# Altium PCB Mirny.PcbDoc (part 7 of 8)
Units mm, origin at the board's own origin, x right, y up, seen from the top; angles counter-clockwise.
Board outline 161.99 x 100.04 mm, 6 copper layers (L1, P2, L3, L4, P5, L6), stack 1.56 mm thick; 832 components, 485 nets, 2438 pads, 1482 vias.
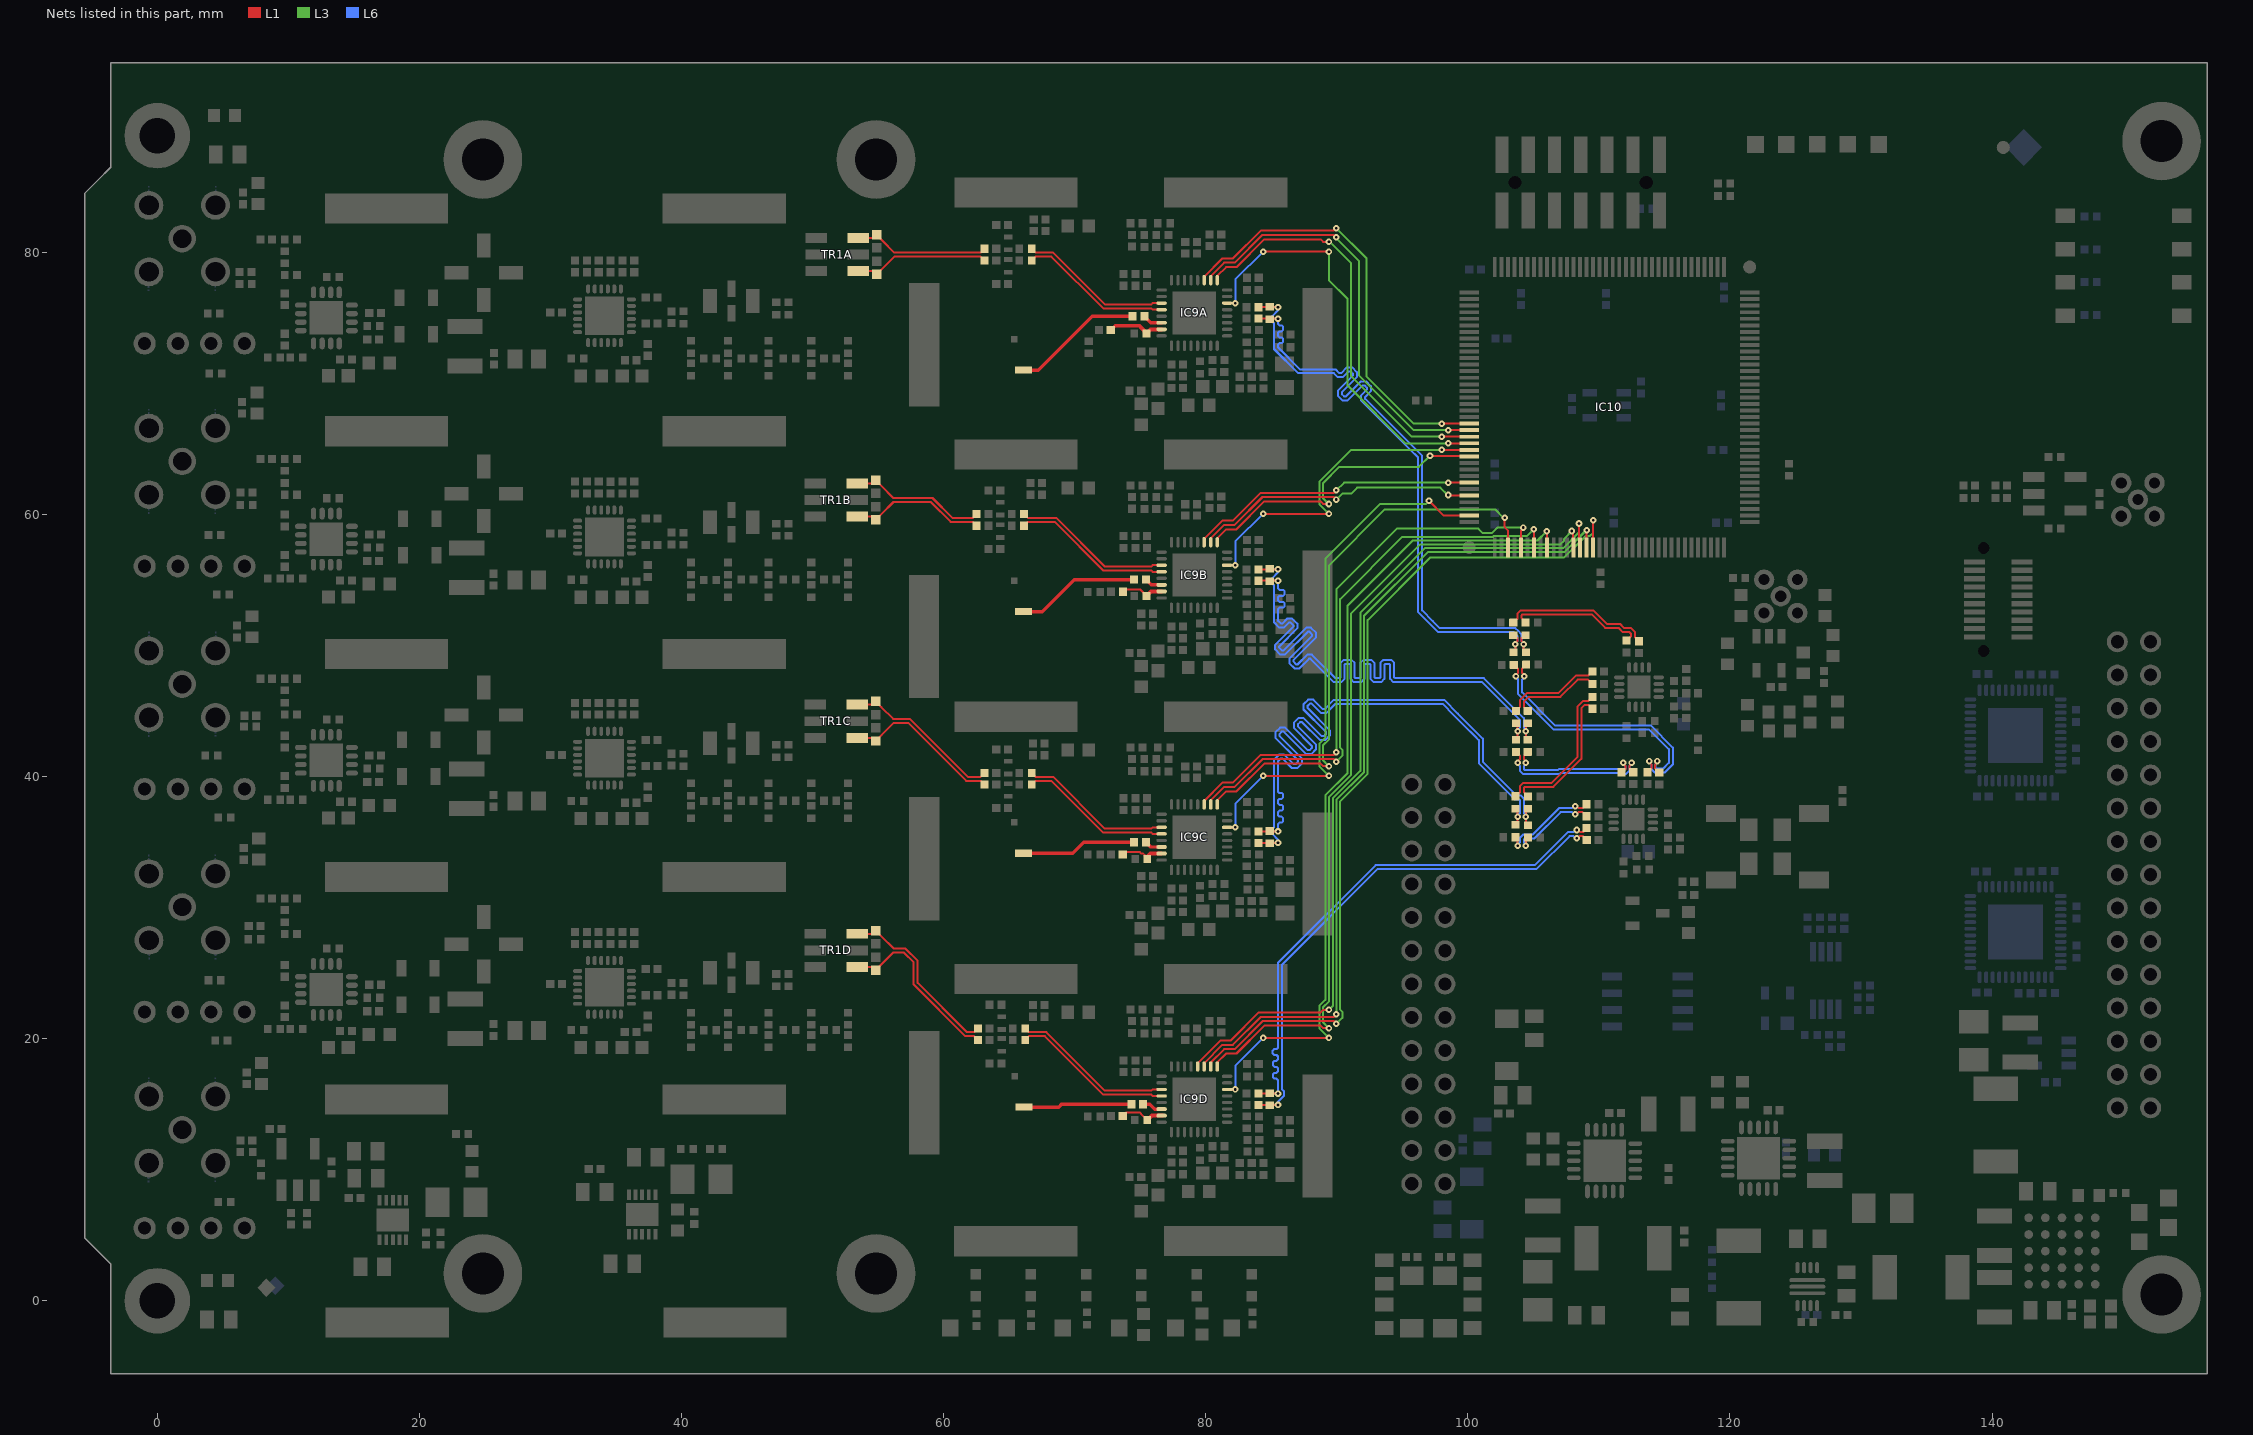
[diagram p11: the nets of this part, all layers, seen from the top]

## Via types
v1: diameter 0.5, hole 0.2, L1 to L6, tented both sides, 1370 vias
v2: diameter 0.6, hole 0.3, L1 to L6, tented both sides, 76 vias
v3: diameter 0.66, hole 0.33, L1 to L6, tented both sides, 36 vias

## Nets (pads, with @x,y where several pads share a name; then routed paths per layer and width w, separated by ;. In a path a pad name is that pad's centre, name@x,y a point inside that pad or via, vN(x,y) a via of type N, cw(c..) or ccw(c..) an arc to the next point about the centre after c; other vN are vias at no path point) (continued)
VCO_CE3: IC9D.4 IC10.50 | length 65
  L1 w0.152: IC9D.4@79.38,17.878 79.38,18.129 81.13,19.879 81.929,19.879 84.055,22.005 88.761,22.005 88.956,22.201 v1(89.401,22.201) ; v1(108.479,59.312) 108.479,57.558 IC10.50@108.554,57.484
  L3 w0.152: v1(89.401,22.201) 89.693,22.493 89.693,38.337 91.796,40.44 91.796,52.503 96.728,57.435 107.277,57.435 108.479,58.637 v1(108.479,59.312)
VCO_CLK0_N: C27A.1 R4A.2 R146.1 R168.2 | length 46.9
  L1 w0.152: C27A.1@84.019,74.944 v1(85.512,74.944) ; R146.1@104.407,50.797 104.193,50.583 104.095,50.583 104.088,50.576 104.088,50.353 104.249,50.192 v1(104.249,50.098) 104.249,49.675 R168.2@104.447,49.477
  L6 w0.152: v1(85.512,74.944) 85.512,74.651 85.512,74.537 85.625,74.424 85.799,74.424 85.912,74.311 85.912,74.085 85.799,73.972 85.625,73.972 85.512,73.859 85.512,73.633 85.625,73.52 85.799,73.52 85.912,73.406 85.912,73.18 85.799,73.067 85.625,73.067 85.512,72.954 85.512,72.873 85.512,72.756 87.186,71.082 89.9,71.082 90.195,70.786 90.337,70.786 90.776,71.226 91.17,71.226 91.527,70.869 91.527,70.475 90.381,69.328 90.381,69.187 90.559,69.008 90.701,69.008 91.847,70.155 92.241,70.155 92.598,69.798 92.598,69.404 92.159,68.965 92.159,68.823 96.508,64.474 96.508,52.679 97.333,51.854 97.854,51.333 103.619,51.333 103.835,51.117 104.088,50.864 104.088,50.353 104.249,50.192 v1(104.249,50.098)
VCO_CLK0_P: C13A.1 R4A.1 R148.1 R166.2 | length 46.9
  L1 w0.152: C13A.1@84.019,75.815 v1(85.512,75.815) ; R148.1@103.464,50.797 103.678,50.583 103.776,50.583 103.783,50.576 103.783,50.353 103.622,50.192 v1(103.622,50.098) 103.622,49.605 R166.2@103.494,49.477
  L6 w0.152: v1(85.512,75.815) 85.512,75.585 85.059,75.132 85.059,74.757 85.207,74.608 85.207,72.629 87.059,70.777 89.774,70.777 90.069,70.481 90.463,70.481 90.903,70.921 91.044,70.921 91.222,70.742 91.222,70.601 90.076,69.454 90.076,69.061 90.433,68.704 90.827,68.704 91.973,69.85 92.115,69.85 92.293,69.672 92.293,69.53 91.854,69.091 91.854,68.697 95.617,64.934 96.203,64.348 96.203,52.553 97.01,51.746 97.727,51.029 103.493,51.029 103.783,50.738 103.783,50.353 103.622,50.192 v1(103.622,50.098)
VCO_CLK1_N: C27B.1 R4B.2 R149.1 R164.2 | length 46.8
  L1 w0.152: C27B.1@84.019,54.944 v1(85.512,54.944) ; R164.2@104.573,42.823 104.43,42.966 v1(104.43,43.472) 104.43,43.928 R149.1@104.573,44.071
  L6 w0.152: v1(85.512,54.944) 85.512,54.521 85.512,54.358 85.625,54.245 85.899,54.245 86.012,54.132 86.012,53.906 85.899,53.792 85.625,53.792 85.512,53.679 85.512,53.453 85.625,53.34 85.899,53.34 86.012,53.227 86.012,53.001 85.899,52.888 85.625,52.888 85.512,52.775 85.512,51.902 85.745,51.669 85.833,51.669 86.239,52.075 86.579,52.075 86.99,51.664 86.99,51.324 85.594,49.928 85.594,49.84 85.826,49.608 85.914,49.608 87.68,51.374 88.02,51.374 88.43,50.963 88.43,50.623 86.68,48.872 86.68,48.784 86.912,48.552 87,48.552 87.76,49.313 88.101,49.313 89.9,47.513 90.23,47.513 90.292,47.576 90.292,48.673 90.533,48.913 91.113,48.913 91.354,48.673 91.354,47.576 91.416,47.513 91.744,47.513 91.806,47.576 91.806,48.673 92.047,48.913 92.628,48.913 92.868,48.673 92.868,47.576 92.931,47.513 93.259,47.513 93.321,47.576 93.321,48.673 93.562,48.913 94.142,48.913 94.383,48.673 94.383,47.576 94.445,47.513 101.216,47.513 104.269,44.46 104.269,43.727 104.43,43.566 v1(104.43,43.472)
VCO_CLK1_P: C13B.1 R4B.1 R150.1 R162.2 | length 46.5
  L1 w0.152: C13B.1@84.019,55.815 v1(85.512,55.815) ; R162.2@103.66,42.823 103.803,42.966 v1(103.803,43.472) 103.803,43.928 R150.1@103.66,44.071
  L6 w0.152: v1(85.512,55.815) 85.512,55.585 85.059,55.132 85.059,54.757 85.207,54.608 85.207,51.776 85.619,51.364 85.959,51.364 86.365,51.77 86.453,51.77 86.685,51.538 86.685,51.45 85.289,50.054 85.289,49.714 85.7,49.303 86.04,49.303 87.806,51.069 87.894,51.069 88.126,50.837 88.126,50.749 86.375,48.999 86.375,48.658 86.786,48.248 87.126,48.248 87.887,49.008 87.975,49.008 89.774,47.209 90.356,47.209 90.597,47.449 90.597,48.547 90.659,48.609 90.987,48.609 91.049,48.547 91.049,47.449 91.29,47.209 91.87,47.209 92.111,47.449 92.111,48.547 92.173,48.609 92.501,48.609 92.564,48.547 92.564,47.449 92.804,47.209 93.385,47.209 93.626,47.449 93.626,48.547 93.688,48.609 94.016,48.609 94.078,48.547 94.078,47.449 94.319,47.209 101.089,47.209 103.747,44.552 103.964,44.334 103.964,43.727 103.803,43.566 v1(103.803,43.472)
VCO_CLK2_N: C27C.1 R4C.2 R151.1 R160.2 | length 50.3
  L1 w0.152: C27C.1@84.019,34.944 v1(85.512,34.944) ; R160.2@104.59,36.293 104.427,36.456 v1(104.427,36.932) 104.427,37.379 R151.1@104.59,37.542
  L6 w0.152: v1(85.512,34.944) 85.512,35.174 85.059,35.627 85.059,36.002 85.207,36.151 85.207,38.837 85.207,41.282 85.592,41.667 85.986,41.667 86.708,40.945 86.85,40.945 87.028,41.123 87.028,41.265 85.316,42.977 85.316,43.371 85.673,43.728 86.067,43.728 87.779,42.016 87.92,42.016 88.099,42.194 88.099,42.335 86.718,43.716 86.718,44.11 87.075,44.467 87.469,44.467 88.85,43.086 88.991,43.086 89.17,43.265 89.17,43.406 87.458,45.118 87.458,45.512 87.815,45.869 88.209,45.869 88.931,45.147 89.072,45.147 89.774,45.849 98.194,45.849 99.237,44.807 101.143,42.9 101.143,41.137 103.71,38.57 104.024,38.57 104.266,38.328 104.266,37.187 104.427,37.026 v1(104.427,36.932)
VCO_CLK2_P: C13C.1 R4C.1 R152.1 R158.2 | length 49.8
  L1 w0.152: C13C.1@84.019,35.815 v1(85.512,35.815) ; R158.2@103.637,36.31 103.8,36.473 v1(103.8,36.932) 103.8,37.379 R152.1@103.637,37.542
  L6 w0.152: v1(85.512,35.815) 85.512,36.041 85.512,36.38 85.625,36.493 85.799,36.493 85.912,36.606 85.912,36.832 85.799,36.946 85.625,36.946 85.512,37.059 85.512,37.285 85.625,37.398 85.799,37.398 85.912,37.511 85.912,37.737 85.799,37.85 85.625,37.85 85.512,37.963 85.512,38.19 85.625,38.303 85.799,38.303 85.912,38.416 85.912,38.642 85.799,38.755 85.593,38.755 85.512,38.837 85.512,41.156 85.718,41.362 85.86,41.362 86.582,40.64 86.976,40.64 87.333,40.997 87.333,41.391 85.621,43.103 85.621,43.244 85.799,43.423 85.941,43.423 87.653,41.711 88.047,41.711 88.404,42.068 88.404,42.462 87.023,43.842 87.023,43.984 87.201,44.162 87.343,44.162 88.724,42.782 89.118,42.782 89.475,43.139 89.475,43.533 87.762,45.245 87.762,45.386 87.941,45.565 88.082,45.565 88.804,44.842 89.198,44.842 89.9,45.544 98.068,45.544 98.932,44.68 99.74,43.872 100.552,43.06 100.838,42.774 100.838,41.01 103.584,38.265 103.898,38.265 103.961,38.202 103.961,37.187 103.8,37.026 v1(103.8,36.932)
VCO_CLK3_N: C27D.1 C137.1 R4D.2 | length 40
  L1 w0.152: C27D.1@84.019,14.944 v1(85.512,14.944) ; v1(108.319,35.298) 108.375,35.298 108.536,35.459 108.77,35.459 C137.1@109.075,35.154
  L6 w0.152: v1(85.512,14.944) 85.512,15.174 85.965,15.627 85.965,16.002 85.817,16.151 85.817,19.787 85.817,25.658 93.089,32.931 105.233,32.931 107.761,35.459 108.063,35.459 108.224,35.298 v1(108.319,35.298)
VCO_CLK3_P: C13D.1 C136.1 R4D.1 | length 41
  L1 w0.152: C13D.1@84.019,15.815 v1(85.512,15.815) ; v1(108.319,35.925) 108.413,35.925 108.574,35.764 108.797,35.764 108.823,35.79 108.823,35.836 C136.1@109.057,36.069
  L6 w0.152: v1(85.512,15.815) 85.512,16.041 85.512,16.493 85.512,16.832 85.399,16.946 85.244,16.946 85.131,17.059 85.131,17.285 85.244,17.398 85.399,17.398 85.512,17.511 85.512,17.737 85.399,17.85 85.244,17.85 85.131,17.963 85.131,18.19 85.244,18.303 85.399,18.303 85.512,18.416 85.512,18.642 85.399,18.755 85.225,18.755 85.112,18.868 85.112,19.094 85.225,19.207 85.399,19.207 85.512,19.321 85.512,19.66 85.512,19.787 85.512,25.785 92.963,33.236 105.107,33.236 107.635,35.764 108.063,35.764 108.224,35.925 v1(108.319,35.925)
VCO_LE0: IC9A.3 IC10.21 | length 33.5
  L1 w0.152: IC9A.3@79.88,77.878 79.88,78.136 81.274,79.531 82.073,79.531 84.2,81.657 89.777,81.657 v1(89.972,81.853) ; v1(98.001,66.934) IC10.21@100.104,66.934
  L3 w0.152: v1(89.972,81.853) 92.253,79.572 92.253,70.549 95.868,66.934 v1(98.001,66.934)
VCO_LE1: IC9B.3 IC10.30 | length 22.3
  L1 w0.152: IC9B.3@79.88,57.878 79.88,58.136 81.274,59.531 82.073,59.531 84.2,61.657 89.777,61.657 v1(89.972,61.853) ; v1(98.509,62.434) IC10.30@100.104,62.434
  L3 w0.152: v1(89.972,61.853) 90.553,62.434 v1(98.509,62.434)
VCO_LE2: IC9C.3 IC10.41 | length 42.4
  L1 w0.152: IC9C.3@79.88,37.878 79.88,38.136 81.274,39.531 82.073,39.531 84.2,41.657 89.777,41.657 v1(89.972,41.853) ; IC10.41@104.054,57.484 104.054,58.747 104.216,58.909 v1(104.216,59.003)
  L3 w0.152: v1(89.972,41.853) 89.972,54.306 94.58,58.914 100.806,58.914 101.146,58.574 101.814,58.574 102.243,59.003 v1(104.216,59.003)
VCO_LE3: IC9D.3 IC10.51 | length 64.2
  L1 w0.152: IC9D.3@79.88,17.878 79.88,18.136 81.274,19.531 82.073,19.531 84.2,21.657 89.777,21.657 v1(89.972,21.853) ; IC10.51@109.054,57.484 109.054,58.743 109.087,58.776 v1(109.087,58.81)
  L3 w0.152: v1(89.972,21.853) 89.972,38.221 92.075,40.324 92.075,52.26 96.97,57.155 107.393,57.155 109.013,58.776 109.053,58.776 v1(109.087,58.81)
VCO_MUXOUT0: IC9A.30 IC10.24 | length 32.4
  L1 w0.152: IC9A.30@81.63,76.128 v1(82.265,76.128) ; v1(84.379,80.056) v1(89.401,80.056) ; v1(98.509,65.434) IC10.24@100.104,65.434
  L3 w0.152: v1(89.401,80.056) 89.401,77.887 90.818,76.47 90.818,69.846 95.23,65.434 v1(98.509,65.434)
  L6 w0.152: v1(82.265,76.128) 82.265,77.942 v1(84.379,80.056)
VCO_MUXOUT1: IC9B.30 IC10.25 | length 27.7
  L1 w0.152: IC9B.30@81.63,56.128 v1(82.265,56.128) ; v1(84.379,60.056) v1(89.401,60.056) ; v1(98.001,64.934) IC10.25@100.104,64.934 ; IC10.25@99.417,64.934 IC10.25@100.104,64.934 ; IC10.25@99.417,64.934 IC10.25@100.104,64.934 ; IC10.25@99.417,64.934 IC10.25@100.104,64.934
  L3 w0.152: v1(89.401,60.056) 88.668,60.788 88.668,62.505 91.097,64.934 v1(98.001,64.934)
  L6 w0.152: v1(82.265,56.128) 82.265,57.942 v1(84.379,60.056)
VCO_MUXOUT2: IC9C.30 IC10.35 | length 40.8
  L1 w0.152: IC9C.30@81.63,36.128 v1(82.265,36.128) ; v1(84.379,40.056) v1(89.401,40.056) ; v1(97.037,61.034) 98.137,59.934 IC10.35@100.104,59.934
  L3 w0.152: v1(89.401,40.056) 88.668,40.788 88.668,42.505 89.134,42.97 89.134,56.633 93.316,60.815 96.818,60.815 v1(97.037,61.034)
  L6 w0.152: v1(82.265,36.128) 82.265,37.942 v1(84.379,40.056)
VCO_MUXOUT3: IC9D.30 IC10.45 | length 63.5
  L1 w0.152: IC9D.30@81.63,16.128 v1(82.265,16.128) ; v1(84.379,20.056) v1(89.401,20.056) ; v1(106.028,58.73) 106.028,57.458 IC10.45@106.054,57.484
  L3 w0.152: v1(89.401,20.056) 88.668,20.788 88.668,22.505 89.134,22.97 89.134,38.568 90.818,40.252 90.818,53.022 95.811,58.015 105.313,58.015 v1(106.028,58.73)
  L6 w0.152: v1(82.265,16.128) 82.265,17.942 v1(84.379,20.056)
VCO_OUTA_N: C14A.2 C50A.1 TR1A.4 | length 10.4
  L1 w0.152: TR1A.4@53.471,81.104 54.641,81.104 C50A.1@54.881,81.344 55.318,80.907 55.325,80.907 56.247,79.985 62.826,79.985 C14A.2@63.117,80.275
VCO_OUTA_P: C15A.2 C45A.2 TR1A.6 | length 10.4
  L1 w0.152: TR1A.6@53.471,78.564 54.641,78.564 C45A.2@54.881,78.324 55.318,78.76 55.325,78.76 56.244,79.68 62.823,79.68 C15A.2@63.117,79.386
VCO_OUTAA_N: IC9A.12 R8A.1 | length 11.7
  L1 w0.152: R8A.1@66.724,79.386 67.018,79.68 68.225,79.68 72.179,75.726 75.856,75.726 75.954,75.628 IC9A.12@76.63,75.628
VCO_OUTAA_P: IC9A.11 R6A.1 | length 11.7
  L1 w0.152: R6A.1@66.724,80.275 67.014,79.985 68.351,79.985 72.305,76.03 75.856,76.03 75.954,76.128 IC9A.11@76.63,76.128
VCO_OUTAB_N: IC9B.12 R8B.1 | length 12.2
  L1 w0.152: R8B.1@66.129,59.141 66.422,59.435 68.47,59.435 72.179,55.726 75.856,55.726 75.954,55.628 IC9B.12@76.63,55.628
VCO_OUTAB_P: IC9B.11 R6B.1 | length 12.2
  L1 w0.152: R6B.1@66.129,60.03 66.419,59.74 68.596,59.74 72.305,56.03 75.856,56.03 75.954,56.128 IC9B.11@76.63,56.128
VCO_OUTAC_N: IC9C.12 R8C.1 | length 11.7
  L1 w0.152: R8C.1@66.724,39.386 67.018,39.68 68.225,39.68 72.179,35.726 75.856,35.726 75.954,35.628 IC9C.12@76.63,35.628
VCO_OUTAC_P: IC9C.11 R6C.1 | length 11.7
  L1 w0.152: R6C.1@66.724,40.275 67.014,39.984 68.351,39.984 72.305,36.03 75.856,36.03 75.954,36.128 IC9C.11@76.63,36.128
VCO_OUTAD_N: IC9D.12 R8D.1 | length 12.4
  L1 w0.152: R8D.1@66.216,19.894 66.51,20.188 67.717,20.188 72.179,15.726 75.856,15.726 75.954,15.628 IC9D.12@76.63,15.628
VCO_OUTAD_P: IC9D.11 R6D.1 | length 12.4
  L1 w0.152: R6D.1@66.216,20.783 66.506,20.492 67.843,20.492 72.305,16.03 75.856,16.03 75.954,16.128 IC9D.11@76.63,16.128
VCO_OUTB_N: C14B.2 C50B.1 TR1B.4 | length 10.5
  L1 w0.152: TR1B.4@53.397,62.373 54.567,62.373 C50B.1@54.807,62.613 55.244,62.176 55.251,62.176 56.171,61.256 59.149,61.256 60.667,59.738 62.23,59.738 C14B.2@62.522,60.03
VCO_OUTB_P: C15B.2 C45B.2 TR1B.6 | length 10.5
  L1 w0.152: TR1B.6@53.397,59.833 54.567,59.833 C45B.2@54.807,59.593 55.244,60.03 55.251,60.03 56.173,60.951 59.022,60.951 60.54,59.433 62.23,59.433 C15B.2@62.522,59.141
VCO_OUTBA_N: C86A.1 IC9A.15 R103A.1 | length 4.4
  L1 w0.3: C86A.1@72.755,74.064 73.093,74.401 74.942,74.401 75.105,74.239 75.105,74.222 75.338,73.989 75.338,73.954 R103A.1@75.478,73.814 ; R103A.1@75.478,73.834 75.771,74.128 IC9A.15@76.63,74.128
VCO_OUTBA_P: C85A.1 IC9A.14 | length 1.5
  L1 w0.265: C85A.1@75.316,75.128 75.816,74.628 IC9A.14@76.63,74.628
VCO_OUTBB_N: C86B.1 IC9B.15 R103B.1 | length 3.4
  L1 w0.152: C86B.1@73.678,54.106 73.851,54.279 74.985,54.279 R103B.1@75.478,53.786
  L1 w0.3: R103B.1@75.478,53.766 75.478,53.786 75.82,54.128 IC9B.15@76.63,54.128
VCO_OUTBB_P: C85B.1 IC9B.14 | length 1.4
  L1 w0.265: C85B.1@75.438,55.035 75.844,54.628 IC9B.14@76.63,54.628
VCO_OUTBC_N: C86C.1 IC9C.15 R103C.1 | length 3.7
  L1 w0.152: C86C.1@73.667,34.064 73.842,34.238 74.981,34.238 75.091,34.128 75.23,34.128 75.333,34.024 75.333,33.939 R103C.1@75.547,33.725 ; IC9C.15@76.391,34.128 IC9C.15@76.63,34.128
  L1 w0.3: R103C.1@75.433,33.786 75.775,34.128 IC9C.15@76.585,34.128
VCO_OUTBC_P: C85C.1 IC9C.14 | length 1.3
  L1 w0.265: C85C.1@75.431,34.989 75.792,34.628 IC9C.14@76.63,34.628
VCO_OUTBD_N: C86D.1 IC9D.15 R103D.1 | length 3.8
  L1 w0.152: C86D.1@73.667,14.092 73.929,14.353 74.988,14.353 75.077,14.263 75.077,14.251 R103D.1@75.525,13.803 ; R103D.1@75.525,13.783 R103D.1@75.525,13.803 ; R103D.1@75.759,14.017 75.739,14.017 R103D.1@75.525,13.803
  L1 w0.3: R103D.1@75.553,13.786 75.895,14.128 IC9D.15@76.705,14.128
VCO_OUTBD_P: C85D.1 IC9D.14 | length 1.6
  L1 w0.265: C85D.1@75.223,15.001 75.733,15.001 76.102,14.631 76.627,14.631 IC9D.14@76.63,14.628
VCO_OUTC_N: C14C.2 C50C.1 TR1C.4 | length 12.3
  L1 w0.152: TR1C.4@53.397,45.494 54.567,45.494 C50C.1@54.807,45.734 55.244,45.297 55.251,45.297 56.146,44.402 57.426,44.402 61.845,39.983 62.825,39.983 C14C.2@63.117,40.275
VCO_OUTC_P: C15C.2 C45C.2 TR1C.6 | length 12.3
  L1 w0.152: TR1C.6@53.397,42.954 54.567,42.954 C45C.2@54.807,42.714 55.244,43.151 55.251,43.151 56.198,44.097 57.3,44.097 61.719,39.678 62.825,39.678 C15C.2@63.117,39.386
VCO_OUTD_N: C14D.2 C50D.1 TR1D.4 | length 13.6
  L1 w0.152: TR1D.4@53.395,28.006 54.565,28.006 C50D.1@54.805,28.246 55.242,27.81 55.249,27.81 56.179,26.88 57.079,26.88 58.014,25.945 58.014,24.263 61.785,20.492 62.318,20.492 C14D.2@62.609,20.783
VCO_OUTD_P: C15D.2 C45D.2 TR1D.6 | length 13.6
  L1 w0.152: TR1D.6@53.395,25.466 54.565,25.466 C45D.2@54.805,25.226 55.242,25.663 55.249,25.663 56.161,26.575 56.953,26.575 57.709,25.819 57.709,24.137 61.658,20.188 62.315,20.188 C15D.2@62.609,19.894
VCO_OUTMA: C85A.2 J9.1 | length 10
  L1 w0.265: J9.1@66.09,71.01 67.219,71.01 71.337,75.128 C85A.2@74.416,75.128
VCO_OUTMB: C85B.2 J11.1 | length 9.5
  L1 w0.265: J11.1@66.091,52.583 67.517,52.583 69.969,55.035 C85B.2@74.538,55.035
VCO_OUTMC: C85C.2 J12.1 | length 8.8
  L1 w0.265: J12.1@66.09,34.149 69.852,34.149 70.692,34.989 C85C.2@74.531,34.989
VCO_OUTMD: C85D.2 J13.1 | length 8.3
  L1 w0.265: J13.1@66.129,14.783 68.774,14.783 68.992,15.001 C85D.2@74.323,15.001
VCO_SCKI0: IC9A.1 IC10.23 | length 32
  L1 w0.152: IC9A.1@80.88,77.878 80.88,78.201 81.548,78.869 82.347,78.869 84.474,80.996 88.761,80.996 88.956,80.8 v1(89.401,80.8) ; v1(98.001,65.934) IC10.23@100.104,65.934
  L3 w0.152: v1(89.401,80.8) 89.455,80.8 91.097,79.158 91.097,70.564 95.728,65.934 v1(98.001,65.934)
VCO_SCKI1: IC9B.1 IC10.26 | length 23.9
  L1 w0.152: IC9B.1@80.88,57.878 80.88,58.201 81.548,58.869 82.347,58.869 84.474,60.996 88.761,60.996 88.956,60.8 v1(89.401,60.8) ; v1(97.111,64.474) 100.064,64.474 IC10.26@100.104,64.434
  L3 w0.152: v1(89.401,60.8) 88.948,61.253 88.948,62.389 90.19,63.631 96.268,63.631 v1(97.111,64.474)
VCO_SCKI2: IC9C.1 IC10.39 | length 43.6
  L1 w0.152: IC9C.1@80.88,37.878 80.88,38.201 81.548,38.869 82.347,38.869 84.474,40.996 88.761,40.996 88.956,40.8 v1(89.401,40.8) ; v1(102.812,59.761) 102.812,59.032 103.054,58.79 IC10.39@103.054,57.484
  L3 w0.152: v1(89.401,40.8) 88.948,41.253 88.948,42.389 89.413,42.855 89.413,56.126 93.675,60.387 102.072,60.387 102.697,59.761 v1(102.812,59.761)
VCO_SCKI3: IC9D.1 IC10.49 | length 63.6
  L1 w0.152: IC9D.1@80.88,17.878 80.88,18.201 81.548,18.869 82.347,18.869 84.474,20.996 88.761,20.996 88.956,20.8 v1(89.401,20.8) ; v1(107.941,58.739) 108.01,58.671 108.01,57.528 IC10.49@108.054,57.484
  L3 w0.152: v1(89.401,20.8) 88.948,21.253 88.948,22.389 89.413,22.855 89.413,38.452 91.097,40.136 91.097,52.45 96.361,57.714 107.053,57.714 107.341,58.002 107.341,58.139 v1(107.941,58.739)
VCO_SDI0: IC9A.2 IC10.22 | length 32.7
  L1 w0.152: IC9A.2@80.38,77.878 80.38,78.182 81.407,79.209 82.207,79.209 84.333,81.336 89.777,81.336 v1(89.972,81.14) ; v1(98.509,66.434) IC10.22@100.104,66.434
  L3 w0.152: v1(89.972,81.14) 89.972,81.063 91.704,79.331 91.704,70.592 95.863,66.434 v1(98.509,66.434)
VCO_SDI1: IC9B.2 IC10.32 | length 22
  L1 w0.152: IC9B.2@80.38,57.878 80.38,58.182 81.407,59.209 82.207,59.209 84.333,61.336 89.777,61.336 v1(89.972,61.14) ; v1(98.509,61.487) 98.536,61.46 100.077,61.46 IC10.32@100.104,61.434
  L3 w0.152: v1(89.972,61.14) 90.425,61.593 91.107,61.593 91.555,62.04 97.902,62.04 98.456,61.487 v1(98.509,61.487)
VCO_SDI2: IC9C.2 IC10.43 | length 42.3
  L1 w0.152: IC9C.2@80.38,37.878 80.38,38.182 81.407,39.209 82.207,39.209 84.333,41.336 89.777,41.336 v1(89.972,41.14) ; v1(105.017,58.861) 105.054,58.824 IC10.43@105.054,57.484
  L3 w0.152: v1(89.972,41.14) 90.425,41.593 90.425,42.04 90.252,42.214 90.252,53.548 94.998,58.295 101.93,58.295 101.975,58.34 104.495,58.34 v1(105.017,58.861)
VCO_SDI3: IC9D.2 IC10.52 | length 66.2
  L1 w0.152: IC9D.2@80.38,17.878 80.38,18.182 81.407,19.209 82.207,19.209 84.333,21.336 89.777,21.336 v1(89.972,21.14) ; IC10.52@109.554,57.484 109.554,59.543 v1(109.56,59.549)
  L3 w0.152: v1(89.972,21.14) 90.425,21.593 90.425,22.04 90.252,22.214 90.252,38.105 92.355,40.208 92.355,51.944 97.112,56.701 107.334,56.701 108.989,58.356 109.308,58.356 109.56,58.608 v1(109.56,59.549)
VCOA_CLK0_N: C109.1 R145.2 R146.2 | length 10.3
  L1 w0.152: R145.2@104.407,51.767 104.407,51.787 104.082,52.112 104.082,52.285 104.171,52.375 109.449,52.375 110.478,51.346 111.494,51.346 111.812,51.027 112.334,51.027 112.442,50.92 112.442,50.704 112.353,50.615 112.34,50.615 C109.1@112.106,50.381
VCOA_CLK0_P: C108.1 R140.2 R148.2 | length 11.4
  L1 w0.152: R148.2@103.464,51.737 103.484,51.737 103.777,52.029 103.777,52.412 104.045,52.68 109.575,52.68 110.604,51.651 111.62,51.651 111.709,51.562 111.938,51.332 112.461,51.332 112.747,51.046 112.747,50.635 C108.1@113.059,50.323
VCOA_CLK1_N: C114.1 R138.2 R149.2 | length 6.9
  L1 w0.152: R138.2@104.359,45.245 104.269,45.334 104.269,45.695 104.663,46.088 107.061,46.088 108.374,47.401 109.174,47.401 109.263,47.311 109.263,47.309 C114.1@109.497,47.075 ; R138.2@104.36,45.245 104.573,45.031 R138.2@104.573,45.011
VCOA_CLK1_P: C113.1 R117.2 R150.2 | length 7.4
  L1 w0.152: R117.2@103.66,45.011 103.68,45.011 103.964,45.295 103.964,45.821 104.536,46.393 106.935,46.393 108.248,47.706 109.174,47.706 109.263,47.795 109.263,47.798 C113.1@109.497,48.031
VCOA_CLK2_N: C116.1 R63.2 R151.2 | length 11
  L1 w0.152: R63.2@104.59,38.482 104.59,38.502 104.376,38.716 104.355,38.716 104.266,38.805 104.266,39.128 104.355,39.218 106.527,39.218 108.661,41.352 108.661,45.198 108.936,45.472 109.199,45.472 C116.1@109.497,45.174
VCOA_CLK2_P: C115.1 R5.2 R152.2 | length 11.5
  L1 w0.152: R152.2@103.637,38.482 103.851,38.696 103.872,38.696 103.961,38.785 103.961,39.254 104.229,39.522 106.401,39.522 108.357,41.478 108.357,45.324 108.809,45.777 109.199,45.777 C115.1@109.497,46.075
VCOB_CLK0_N: C89.1 R167.2 R168.1 | length 20.7
  L1 w0.152: v1(104.297,47.663) 104.297,47.757 104.136,47.918 104.136,47.965 104.114,47.986 104.114,48.223 104.204,48.312 104.233,48.312 104.447,48.526 R168.1@104.447,48.537 R167.2@104.447,48.546 ; C89.1@113.698,40.329 114.017,40.649 114.017,40.866 113.999,40.884 113.999,40.931 113.838,41.092 v1(113.838,41.186)
  L6 w0.152: v1(104.297,47.663) 104.297,47.569 104.136,47.408 104.136,46.426 106.645,43.917 113.942,43.917 115.646,42.213 115.646,40.921 115.038,40.313 114.267,40.313 113.999,40.581 113.999,40.931 113.838,41.092 v1(113.838,41.186)